# KiCad board willis.kicad_pcb
title: Willis; date: 2024-11-16; rev: V0.3; company: krikun98
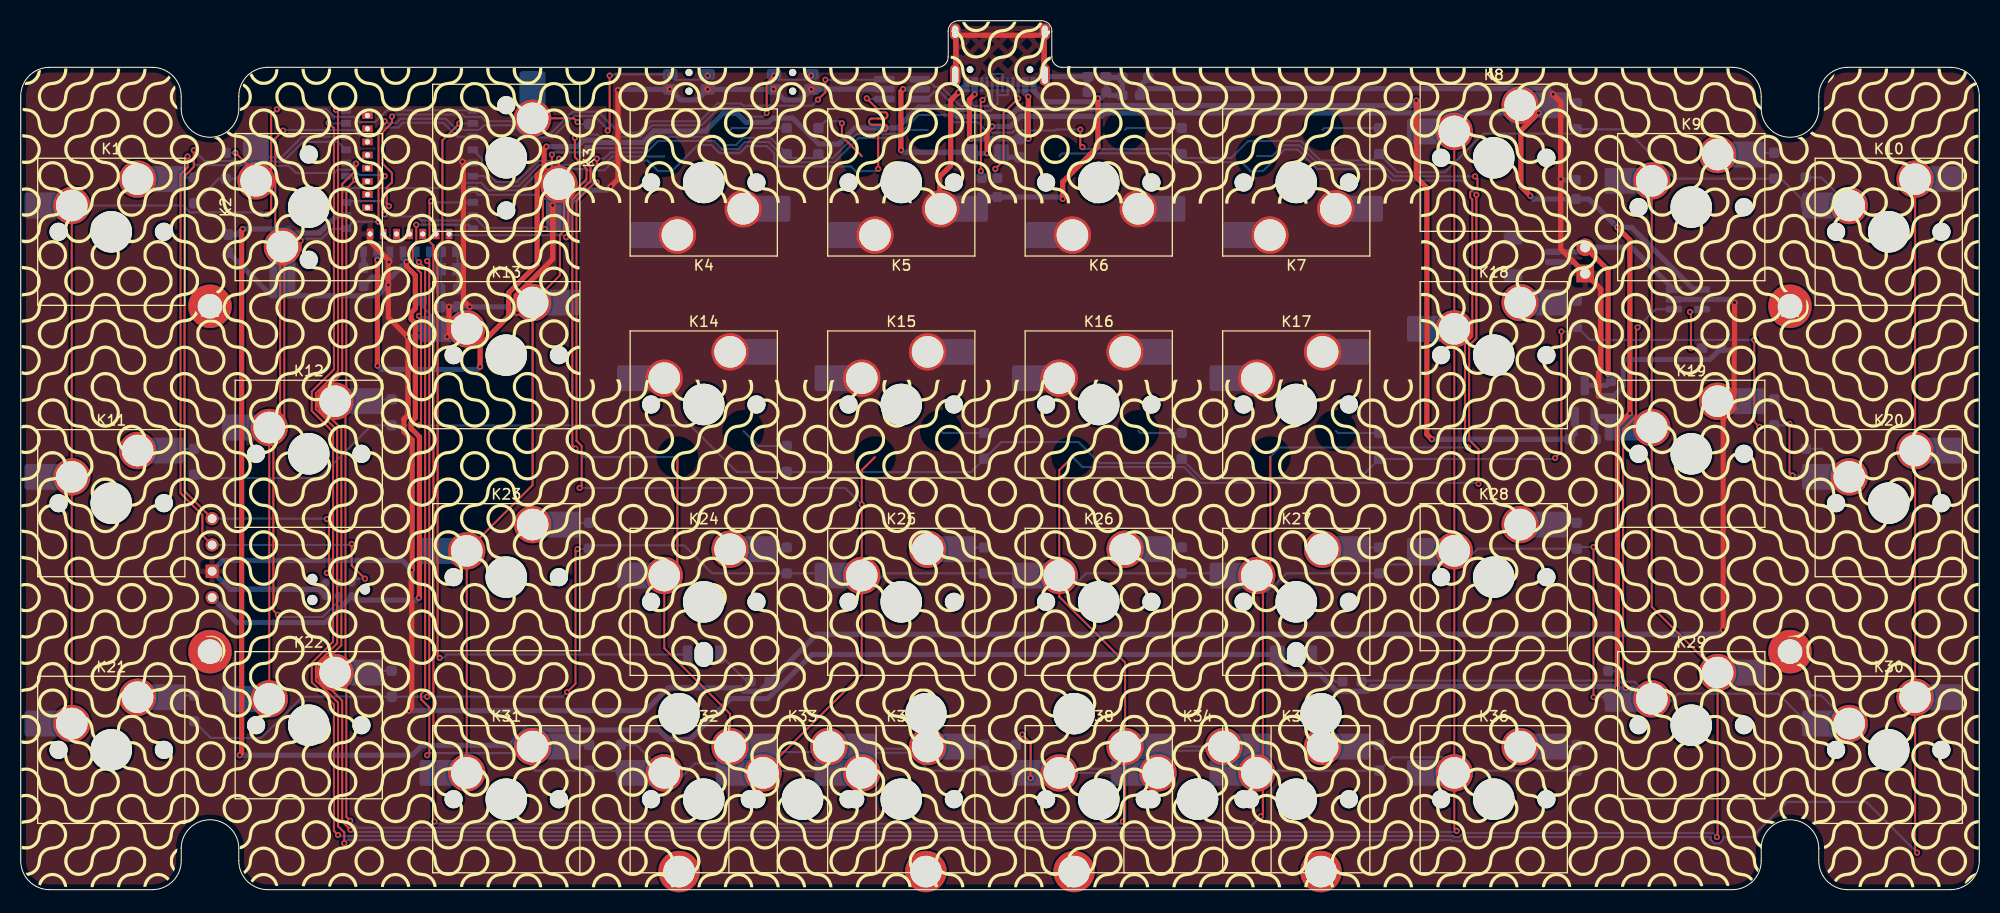
[diagram p0: board, top side]
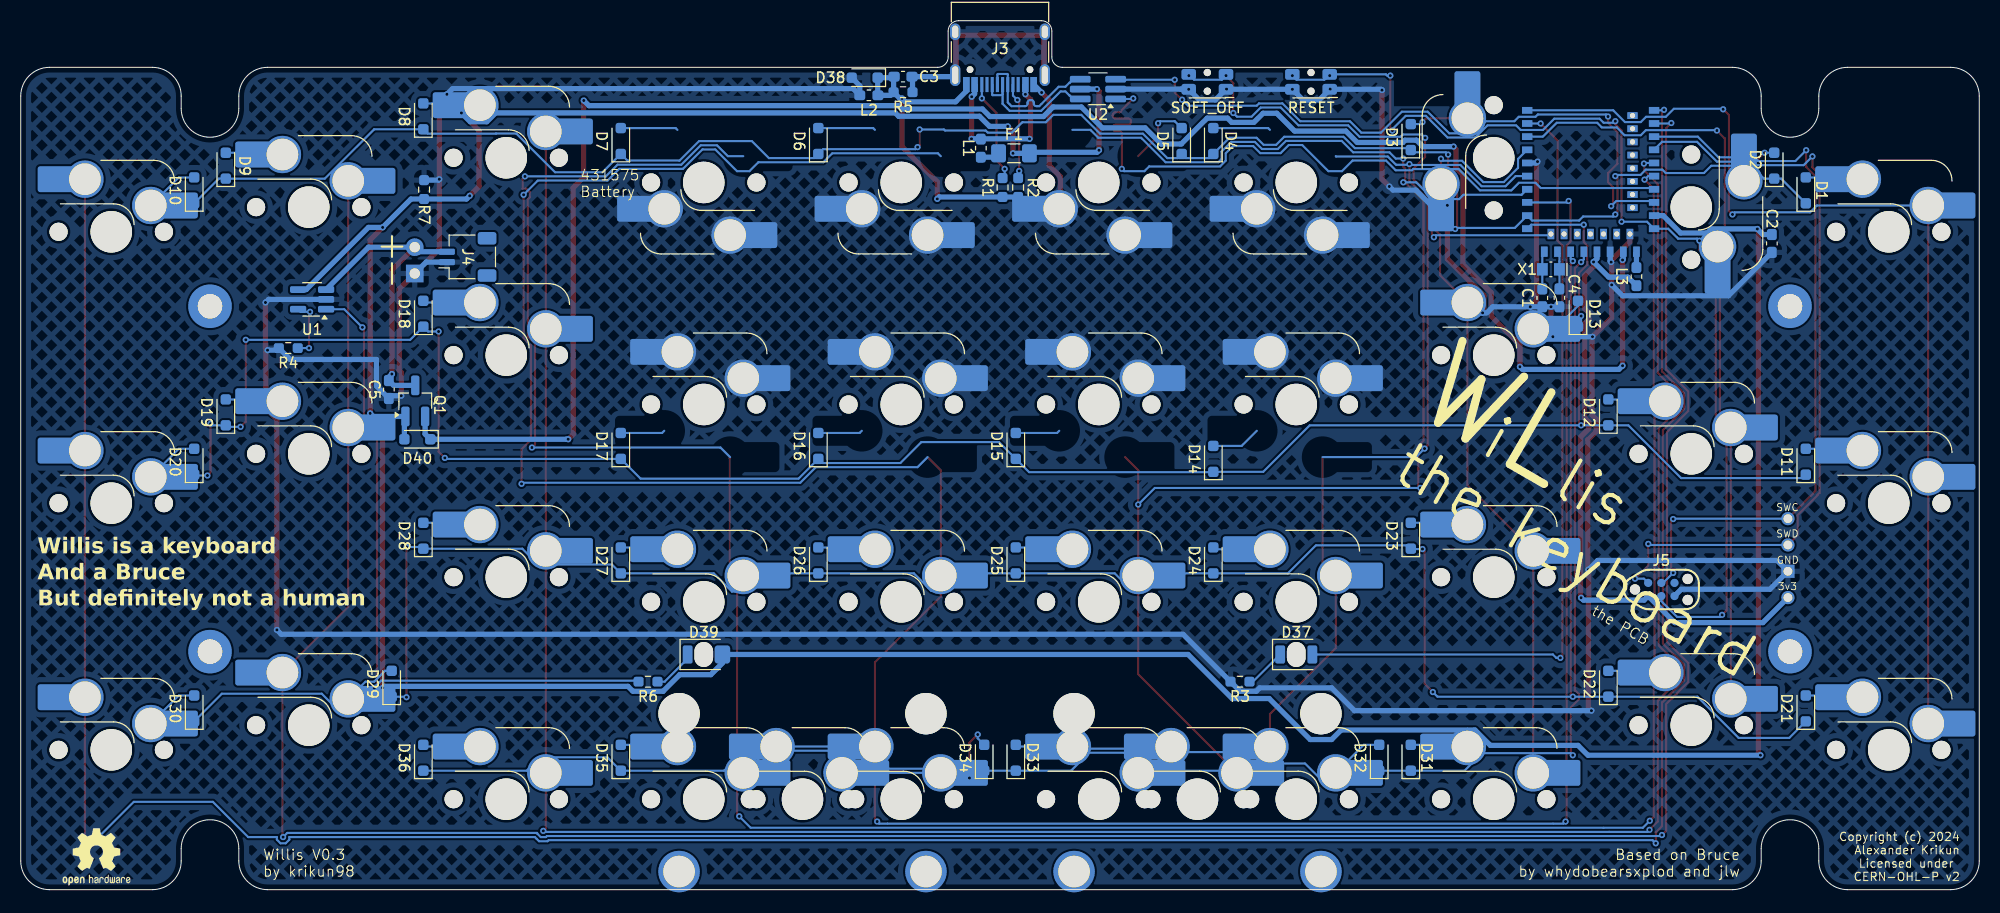
[diagram p1: board, bottom side, seen from below]

Outline 188.91 x 83.88 mm; copper layers: Top, Bottom. Coordinates in mm from the lower left corner of the outline.
Outline path: 0,76.6 arc(0.81,78.56) 2.78,79.38 12.7,79.38 arc(14.66,78.56) 15.48,76.6 15.48,75.41 arc(18.26,72.63) 21.03,75.41 21.03,76.6 arc(21.85,78.56) 23.81,79.38 88.46,79.38 arc(89.16,79.67) 89.46,80.38 89.46,82.88 arc(89.75,83.58) 90.46,83.88 98.46,83.88 arc(99.16,83.58) 99.46,82.88 99.46,80.38 arc(99.75,79.67) 100.46,79.38 165.1,79.38 arc(167.06,78.56) 167.88,76.6 167.88,75.41 arc(170.66,72.63) 173.43,75.41 173.43,76.6 arc(174.25,78.56) 176.21,79.38 186.13,79.38 arc(188.1,78.56) 188.91,76.6 188.91,2.78 arc(188.1,0.81) 186.13,0 176.21,0 arc(174.25,0.81) 173.43,2.78 173.43,3.97 arc(170.66,6.75) 167.88,3.97 167.88,2.78 arc(167.06,0.81) 165.1,0 23.81,0 arc(21.85,0.81) 21.03,2.78 21.03,3.97 arc(18.26,6.75) 15.48,3.97 15.48,2.78 arc(14.66,0.81) 12.7,0 2.78,0 arc(0.81,0.81) 0,2.78 0,76.6
Stack: Top 0.035mm / dielectric 1.51mm FR4 er 4.5 / Bottom 0.035mm

## Placement (name value [footprint] x y rotation side)
C1  12pF  [C_0603_1608Metric_Pad1.08x0.95mm_HandSolder]  42.15 57.13 90 bottom
C2  4.7uF  [C_0603_1608Metric_Pad1.08x0.95mm_HandSolder]  20.01 62.38 270 bottom
C3  100nF  [C_0603_1608Metric_Pad1.08x0.95mm_HandSolder]  103.81 78.48 180 bottom
C4  12pF  [C_0603_1608Metric_Pad1.08x0.95mm_HandSolder]  40.5 57.13 90 bottom
C5  4.7uF  [C_0603_1608Metric_Pad1.08x0.95mm_HandSolder]  153.41 48.28 270 bottom
D1  D_Small  [D_SOD-323_HandSoldering]  16.73 67.5 90 bottom
D2  D_Small  [D_SOD-323_HandSoldering]  19.78 69.88 90 bottom
D3  D_Small  [D_SOD-323_HandSoldering]  54.83 72.64 90 bottom
D4  D_Small  [D_SOD-323_HandSoldering]  73.88 72.26 90 bottom
D5  D_Small  [D_SOD-323_HandSoldering]  76.93 72.26 90 bottom
D6  D_Small  [D_SOD-323_HandSoldering]  111.98 72.26 90 bottom
D7  D_Small  [D_SOD-323_HandSoldering]  131.03 72.26 90 bottom
D8  D_Small  [D_SOD-323_HandSoldering]  150.08 74.64 90 bottom
D9  D_Small  [D_SOD-323_HandSoldering]  169.13 69.88 90 bottom
D10  D_Small  [D_SOD-323_HandSoldering]  172.18 67.5 90 bottom
D11  D_Small  [D_SOD-323_HandSoldering]  16.73 41.31 90 bottom
D12  D_Small  [D_SOD-323_HandSoldering]  35.78 46.07 90 bottom
D13  D_Small  [D_SOD-323_HandSoldering]  38.71 55.59 90 bottom
D14  D_Small  [D_SOD-323_HandSoldering]  73.88 41.58 90 bottom
D15  D_Small  [D_SOD-323_HandSoldering]  92.93 42.83 90 bottom
D16  D_Small  [D_SOD-323_HandSoldering]  111.98 42.83 90 bottom
D17  D_Small  [D_SOD-323_HandSoldering]  131.03 42.83 90 bottom
D18  D_Small  [D_SOD-323_HandSoldering]  150.08 55.59 90 bottom
D19  D_Small  [D_SOD-323_HandSoldering]  169.13 46.07 90 bottom
D20  D_Small  [D_SOD-323_HandSoldering]  172.18 41.31 90 bottom
D21  D_Small  [D_SOD-323_HandSoldering]  16.73 17.49 90 bottom
D22  D_Small  [D_SOD-323_HandSoldering]  35.78 19.88 90 bottom
D23  D_Small  [D_SOD-323_HandSoldering]  54.83 34.16 90 bottom
D24  D_Small  [D_SOD-323_HandSoldering]  73.88 31.78 90 bottom
D25  D_Small  [D_SOD-323_HandSoldering]  92.93 31.78 90 bottom
D26  D_Small  [D_SOD-323_HandSoldering]  111.98 31.78 90 bottom
D27  D_Small  [D_SOD-323_HandSoldering]  131.03 31.78 90 bottom
D28  D_Small  [D_SOD-323_HandSoldering]  150.08 34.16 90 bottom
D29  D_Small  [D_SOD-323_HandSoldering]  153.13 19.88 90 bottom
D30  D_Small  [D_SOD-323_HandSoldering]  172.18 17.49 90 bottom
D31  D_Small  [D_SOD-323_HandSoldering]  54.83 12.73 90 bottom
D32  D_Small  [D_SOD-323_HandSoldering]  57.88 12.73 90 bottom
D33  D_Small  [D_SOD-323_HandSoldering]  92.93 12.73 90 bottom
D34  D_Small  [D_SOD-323_HandSoldering]  95.98 12.73 90 bottom
D35  D_Small  [D_SOD-323_HandSoldering]  131.03 12.73 90 bottom
D36  D_Small  [D_SOD-323_HandSoldering]  150.08 12.73 90 bottom
D37  BLUE  [LED_1206_3216Metric_ReverseMount_Hole1.8x2.4mm]  65.88 22.7 180 bottom
D38  BSD3C051V  [D_SOD-323_HandSoldering]  107.51 78.38 0 bottom
D39  RED  [LED_1206_3216Metric_ReverseMount_Hole1.8x2.4mm#2]  123.03 22.7 180 bottom
D40  1N5819  [D_SOD-323_HandSoldering]  150.66 43.48 0 bottom
F1  500mA  [Fuse_1206_3216Metric_Pad1.42x1.75mm_HandSolder]  93.11 71.08 180 bottom
G***  LOGO  [willis_truchet]  94.46 42.03 0 top
H1  MountingHole  [M2_Hole_TH_mod]  18.26 56.31 0 top
H2  MountingHole  [M2_Hole_TH_mod]  170.66 56.31 0 top
H3  MountingHole  [M2_Hole_TH_mod]  18.26 22.98 0 top
H4  MountingHole  [M2_Hole_TH_mod]  170.66 22.98 0 top
J1  SWD  [connector_swd_REV]  18.56 36.94 0 top
J2  Battery  [Battery_TH]  150.91 59.48 0 bottom
J3  USB-C Conn  [USB_C_Receptacle_HRO_TYPE-C-31-M-12]  94.46 81.76 0 bottom
J4  Battery JST  [JST_SH_SM02B-SRSS-TB_1x02-1MP_P1.00mm_Horizontal]  145.81 61.08 90 bottom
J5  TC2030_SWD  [CON_TC2030_outlined]  30.67 28.98 180 bottom
K1  KEYSW  [SW_Hotswap_Kailh_MX_Plated_1.00u]  8.73 63.5 0 top
K2  KEYSW  [SW_Hotswap_Kailh_MX_Plated_1.00u]  27.78 65.88 90 top
K3  KEYSW  [SW_Hotswap_Kailh_MX_Plated_1.00u]  46.83 70.64 270 top
K4  KEYSW  [SW_Hotswap_Kailh_MX_Plated_1.00u]  65.88 68.26 180 top
K5  KEYSW  [SW_Hotswap_Kailh_MX_Plated_1.00u]  84.93 68.26 180 top
K6  KEYSW  [SW_Hotswap_Kailh_MX_Plated_1.00u]  103.98 68.26 180 top
K7  KEYSW  [SW_Hotswap_Kailh_MX_Plated_1.00u]  123.03 68.26 180 top
K8  KEYSW  [SW_Hotswap_Kailh_MX_Plated_1.00u]  142.08 70.64 0 top
K9  KEYSW  [SW_Hotswap_Kailh_MX_Plated_1.00u]  161.13 65.88 0 top
K10  KEYSW  [SW_Hotswap_Kailh_MX_Plated_1.00u]  180.18 63.5 0 top
K11  KEYSW  [SW_Hotswap_Kailh_MX_Plated_1.00u]  8.73 37.31 0 top
K12  KEYSW  [SW_Hotswap_Kailh_MX_Plated_1.00u]  27.78 42.07 0 top
K13  KEYSW  [SW_Hotswap_Kailh_MX_Plated_1.00u]  46.83 51.59 0 top
K14  KEYSW  [SW_Hotswap_Kailh_MX_Plated_1.00u]  65.88 46.83 0 top
K15  KEYSW  [SW_Hotswap_Kailh_MX_Plated_1.00u]  84.93 46.83 0 top
K16  KEYSW  [SW_Hotswap_Kailh_MX_Plated_1.00u]  103.98 46.83 0 top
K17  KEYSW  [SW_Hotswap_Kailh_MX_Plated_1.00u]  123.03 46.83 0 top
K18  KEYSW  [SW_Hotswap_Kailh_MX_Plated_1.00u]  142.08 51.59 0 top
K19  KEYSW  [SW_Hotswap_Kailh_MX_Plated_1.00u]  161.13 42.07 0 top
K20  KEYSW  [SW_Hotswap_Kailh_MX_Plated_1.00u]  180.18 37.31 0 top
K21  KEYSW  [SW_Hotswap_Kailh_MX_Plated_1.00u]  8.73 13.49 0 top
K22  KEYSW  [SW_Hotswap_Kailh_MX_Plated_1.00u]  27.78 15.88 0 top
K23  KEYSW  [SW_Hotswap_Kailh_MX_Plated_1.00u]  46.83 30.16 0 top
K24  KEYSW  [SW_Hotswap_Kailh_MX_Plated_1.00u]  65.88 27.78 0 top
K25  KEYSW  [SW_Hotswap_Kailh_MX_Plated_1.00u]  84.93 27.78 0 top
K26  KEYSW  [SW_Hotswap_Kailh_MX_Plated_1.00u]  103.98 27.78 0 top
K27  KEYSW  [SW_Hotswap_Kailh_MX_Plated_1.00u]  123.03 27.78 0 top
K28  KEYSW  [SW_Hotswap_Kailh_MX_Plated_1.00u]  142.08 30.16 0 top
K29  KEYSW  [SW_Hotswap_Kailh_MX_Plated_1.00u]  161.13 15.88 0 top
K30  KEYSW  [SW_Hotswap_Kailh_MX_Plated_1.00u]  180.18 13.49 0 top
K31  KEYSW  [SW_Hotswap_Kailh_MX_Plated_1.00u]  46.83 8.73 0 top
K32  KEYSW  [SW_Hotswap_Kailh_MX_Plated_1.00u]  65.88 8.73 0 top
K33  KEYSW  [SW_Hotswap_Kailh_MX_Plated_1.00u]  75.41 8.73 0 top
K34  KEYSW  [SW_Hotswap_Kailh_MX_Plated_1.00u]  113.51 8.73 0 top
K35  KEYSW  [SW_Hotswap_Kailh_MX_Plated_1.00u]  123.03 8.73 0 top
K36  KEYSW  [SW_Hotswap_Kailh_MX_Plated_1.00u]  142.08 8.73 0 top
K37  KEYSW  [SW_Hotswap_Kailh_MX_Plated_1.00u]  84.93 8.73 0 top
K38  KEYSW  [SW_Hotswap_Kailh_MX_Plated_1.00u]  103.98 8.73 0 top
L1  HPZ1608U121  [L_0603_1608Metric_Pad1.05x0.95mm_HandSolder]  96.31 71.58 270 bottom
L2  HPZ1608U121  [L_0603_1608Metric_Pad1.05x0.95mm_HandSolder]  107.11 76.68 0 bottom
L3  10uH  [L_0603_1608Metric_Pad1.05x0.95mm_HandSolder]  33.07 59.18 270 bottom
Q1  AO3407  [SOT-23_Handsoldering]  150.86 47.18 90 bottom
R1  5.1K  [R_0603_1608Metric_Pad0.98x0.95mm_HandSolder]  94.21 67.78 90 bottom
R2  5.1K  [R_0603_1608Metric_Pad0.98x0.95mm_HandSolder]  92.71 67.78 270 bottom
R3  1K  [R_0603_1608Metric_Pad0.98x0.95mm_HandSolder]  71.31 20.08 0 bottom
R4  3K  [R_0603_1608Metric_Pad0.98x0.95mm_HandSolder]  163.11 52.28 0 bottom
R5  1M  [R_0603_1608Metric_Pad0.98x0.95mm_HandSolder]  103.81 76.98 0 bottom
R6  1K  [R_0603_1608Metric_Pad0.98x0.95mm_HandSolder]  128.41 20.08 0 bottom
R7  100K  [R_0603_1608Metric_Pad0.98x0.95mm_HandSolder]  150.01 67.58 90 bottom
REF**  -  [OSHW-Logo2_7.3x6mm_SilkScreen]  181.61 3.18 180 bottom
RSW1  SW_PUSH  [SW_SPST_EVQP7C]  64.46 77.98 0 bottom
RSW2  SW_PUSH  [SW_SPST_EVQP7C]  74.46 77.98 0 bottom
S1  Stabilizer  [STAB_MX_P_2u]  75.41 8.73 180 top
S2  Stabilizer  [STAB_MX_P_2u]  113.51 8.73 180 top
U1  TP4054  [SOT-23-5_HandSoldering]  160.81 56.98 0 bottom
U2  USBLC6-2SC6  [TSOT-23-6_HandSoldering]  85.01 77.28 0 bottom
U3  -  [E73-2G4M08S1C-52840]  37.49 61.2 90 bottom
X1  32.768kHz  [Crystal_SMD_MicroCrystal_CM9V-T1A-2Pin_1.6x1.0mm_HandSoldering]  41.32 59.88 0 bottom

## Library data of the parts
C1 C4 = -: LCSC: C1642; ki_fp_filters: C_*
C2 C5 = -: LCSC: C19666; ki_fp_filters: C_*
C3 = -: LCSC: C1588; ki_fp_filters: C_*
D1-D36 = -: LCSC: C2128; ki_fp_filters: TO-???* *_Diode_* *SingleDiode* D_*
D37 = -: LCSC: C375563; ki_fp_filters: LED* LED_SMD:* LED_THT:*
D38 = -: LCSC: C151996; ki_fp_filters: TO-???* *_Diode_* *SingleDiode* D_*
D39 = -: LCSC: C375561; ki_fp_filters: LED* LED_SMD:* LED_THT:*
D40 = -: LCSC: C21714236; ki_fp_filters: TO-???* *_Diode_* *SingleDiode* D_*
F1 = -: LCSC: C883122; ki_fp_filters: *polyfuse* *PTC*
H1-H4 S1 S2 = -: ki_fp_filters: MountingHole*
J1 J2 = -: ki_fp_filters: Connector*:*_1x??_*
J3 = -: Datasheet: https://www.usb.org/sites/default/files/documents/usb_type-c.zip; JlcPosOffset: 0,1.5; JlcRotOffset: 180; LCSC: C165948; ki_fp_filters: USB*C*Receptacle*
J4 = -: LCSC: C160402; ki_fp_filters: Connector*:*_1x??_*
J5 = -: Description: 6-pin TC2030 connector for SWD programming; ki_fp_filters: IDC?Header*2x03* Pin?Header*2x03*
L1 L2 = -: LCSC: C919153; ki_fp_filters: Choke_* *Coil* Inductor_* L_*
L3 = -: Description: Inductor; LCSC: C275361; ki_fp_filters: Choke_* *Coil* Inductor_* L_*
Q1 = -: LCSC: C5148473
R1 R2 = -: LCSC: C105580; ki_fp_filters: R_*
R3 R6 = -: LCSC: C22548; ki_fp_filters: R_*
R4 = -: LCSC: C4211; ki_fp_filters: R_*
R5 = -: LCSC: C22935; ki_fp_filters: R_*
R7 = -: LCSC: C14675; ki_fp_filters: R_*
RSW1 RSW2 = -: LCSC: C388883
U1 = -: Datasheet: http://ww1.microchip.com/downloads/en/DeviceDoc/20001984g.pdf; LCSC: C424093; ki_fp_filters: SOT?23*
U2 = -: Datasheet: https://www.st.com/resource/en/datasheet/usblc6-2.pdf; LCSC: C558442; ki_fp_filters: SOT?23*
U3 = -: LCSC: C356849
X1 = -: LCSC: C383846; ki_fp_filters: Crystal*

## Footprints (pads in the part's own frame, mm; a bottom-side part is the same pattern mirrored in y, then rotated)
Battery_TH
  rect 1.7x1.7 hole 1: 1(0,0)
  oval 1.7x1.7 hole 1: 2(0,-2.54)
C_0603_1608Metric_Pad1.08x0.95mm_HandSolder
  rrect 1.075x0.95 smd: 1(-0.863,0) 2(0.863,0)
CON_TC2030_outlined
  round 0.991 hole 0.991 unplated: (-2.54,0) (2.54,-1.016) (2.54,1.016)
  round 0.787 smd: 1(-1.27,-0.635) 2(-1.27,0.635) 3(0,-0.635) 4(0,0.635) 5(1.27,-0.635) 6(1.27,0.635)
connector_swd_REV
  oval 1.27x1.27 hole 0.85: 1(-0.1,-8.75) 3(-0.1,-3.67) 4(-0.1,-1.13)
  rect 1.27x1.27 hole 0.85: 2(-0.1,-6.21)
Crystal_SMD_MicroCrystal_CM9V-T1A-2Pin_1.6x1.0mm_HandSoldering
  rect 1.05x1.2 smd: 1(-0.825,0) 2(0.825,0)
D_SOD-323_HandSoldering
  rrect 1x1 smd: 1(-1.25,0) 2(1.25,0)
E73-2G4M08S1C-52840
  rect 0.65x1 smd: 1(14.03,6.119) 2(12.76,6.119) 3(11.49,6.119) 4(10.22,6.119) 5(8.95,6.119) 6(7.68,6.119) 7(6.41,6.119) 8(5.14,6.119) 9(3.87,6.119) 10(2.6,6.119) 26(2.6,-6.119) 27(3.87,-6.119) 29(5.14,-6.119) 31(6.41,-6.119) 33(7.68,-6.119) 35(8.95,-6.119) 37(10.22,-6.119) 39(11.49,-6.119) 41(12.76,-6.119) 43(14.03,-6.119)
  rect 1x0.65 smd: 11(0.381,4.47) 13(0.381,3.2) 15(0.381,1.93) 17(0.381,0.66) 19(0.381,-0.61) 21(0.381,-1.88) 23(0.381,-3.15) 25(0.381,-4.42)
  rect 1x0.65 hole 0.5: 12(2.092,3.833) 14(2.092,2.563) 16(2.092,1.293) 18(2.092,0.023) 20(2.092,-1.247) 22(2.092,-2.517) 24(2.092,-3.787)
  rect 0.65x1 hole 0.5: 28(4.632,-4.041) 30(5.902,-4.041) 32(7.172,-4.041) 34(8.442,-4.041) 36(9.712,-4.041) 38(10.982,-4.041) 40(12.252,-4.041) 42(13.522,-4.041)
Fuse_1206_3216Metric_Pad1.42x1.75mm_HandSolder
  rrect 1.425x1.75 smd: 1(-1.488,0) 2(1.488,0)
JST_SH_SM02B-SRSS-TB_1x02-1MP_P1.00mm_Horizontal
  rrect 0.6x1.55 smd: 1(-0.5,2) 2(0.5,2)
  rrect 1.2x1.8 smd: MP(-1.8,-1.875) MP(1.8,-1.875)
L_0603_1608Metric_Pad1.05x0.95mm_HandSolder
  rrect 1.05x0.95 smd: 1(-0.875,0) 2(0.875,0)
LED_1206_3216Metric_ReverseMount_Hole1.8x2.4mm
  oval 1.8x2.4 hole 1.8x2.4 unplated: (0,0)
  rrect 0.95x1.75 smd: 1(-1.55,0) 2(1.55,0)
LED_1206_3216Metric_ReverseMount_Hole1.8x2.4mm#2
  oval 1.8x2.4 hole 1.8x2.4 unplated: (0,0)
  rrect 0.95x1.75 smd: 1(-1.55,0)
  rrect 1.5x1.75 smd: 2(1.8,0)
M2_Hole_TH_mod
  round 4.2 hole 2.3: (0,0)
R_0603_1608Metric_Pad0.98x0.95mm_HandSolder
  rrect 0.975x0.95 smd: 1(-0.912,0) 2(0.912,0)
SOT-23-5_HandSoldering
  rrect 1.56x0.65 smd: 1(-1.35,0.95) 2(-1.35,0) 3(-1.35,-0.95) 4(1.35,-0.95) 5(1.35,0.95)
SOT-23_Handsoldering
  rrect 1.9x0.8 smd: 1(-1.5,0.95) 2(-1.5,-0.95) 3(1.5,0)
STAB_MX_P_2u
  round 4 hole 3.048: (-11.906,6.985) (11.906,6.985)
  round 3.988 hole 3.988 unplated: (-11.906,-8.255) (11.906,-8.255)
SW_Hotswap_Kailh_MX_Plated_1.00u
  rrect 2.55x2.5 smd: (-7.085,2.54) (5.842,5.08)
  round 1.75 hole 1.75 unplated: (-5.08,0) (5.08,0)
  round 4 hole 4 unplated: (0,0)
  rrect 3.55x2.5 smd far side: 1(-6.585,2.54) 2(5.32,5.08)
  round 3.6 hole 3.05: 1(-3.81,2.54) 2(2.54,5.08)
SW_SPST_EVQP7C
  round 0.7 hole 0.7 unplated: (0,-0.9) (0,0.9)
  rrect 1.4x1.05 smd: 1(-1.8,0.72) 1(1.8,0.72) 2(-1.8,-0.72) 2(1.8,-0.72)
TSOT-23-6_HandSoldering
  rrect 2x0.65 smd: 1(-1.71,0.95) 2(-1.71,0) 3(-1.71,-0.95) 4(1.71,-0.95) 5(1.71,0) 6(1.71,0.95)
USB_C_Receptacle_HRO_TYPE-C-31-M-12
  round 0.65 hole 0.65 unplated: (-2.89,2.6) (2.89,2.6)
  rect 0.6x1.45 smd: A1(-3.25,4.045) A4(-2.45,4.045) A9(2.45,4.045) A12(3.25,4.045) B1(3.25,4.045) B4(2.45,4.045) B9(-2.45,4.045) B12(-3.25,4.045)
  rect 0.3x1.45 smd: A5(-1.25,4.045) A6(-0.25,4.045) A7(0.25,4.045) A8(1.25,4.045) B5(1.75,4.045) B6(0.75,4.045) B7(-0.75,4.045) B8(-1.75,4.045)
  oval 1x1.6 hole 0.6x1.2: S1(-4.32,-1.05) S1(4.32,-1.05)
  oval 1x2.1 hole 0.6x1.7: S1(-4.32,3.13) S1(4.32,3.13)

## Nets
GND: C1.1 C2.2 C4.1 C5.2 D38.2 J1.2 J2.1 J4.1 J5.5 L2.2 R3.2 R4.2 R7.2 RSW1.1 RSW2.1 U1.2 U2.2 U3.5 U3.21 U3.24
GNDPWR: C3.1 D38.1 J3.A1 J3.A12 J3.B1 J3.B12 L2.1 R1.1 R2.2 R5.2
GNDS: C3.2 J3.S1 R5.1
VBAT: C5.1 J2.2 J4.2 Q1.3 U1.3
VBUS: C2.1 D39.2 D40.2 F1.2 Q1.1 R7.1 U1.4 U2.5 U3.27
VDD: J1.1 J5.1 L3.2 U3.19
VDDH: D40.1 Q1.2 U3.23
BLUE_LED: D37.2 U3.2
COL0: K1.1 K11.1 K21.1 U3.1
COL1: K2.1 K12.1 K22.1 U3.3
COL2: K3.2 K13.2 K23.1 K31.1 U3.4
COL3: K4.1 K14.2 K24.1 K32.2 U3.6
COL4: K5.2 K15.2 K25.1 K33.1 K37.1 U3.7
COL5: K6.1 K16.2 K26.1 K34.2 K38.2 U3.8
COL6: K7.1 K17.2 K27.1 K35.1 U3.33
COL7: K8.1 K18.1 K28.1 K36.1 U3.35
COL8: K9.1 K19.1 K29.2 U3.41
COL9: K10.2 K20.2 K30.2 U3.43
DATA+: U2.1 U3.31
DATA-: U2.3 U3.29
DCCH: L3.1 U3.25
RESET: J5.3 RSW1.2 U3.26
ROW0: D1.1 D2.1 D3.1 D4.1 D5.1 D6.1 D7.1 D8.1 D9.1 D10.1 U3.9
ROW1: D11.1 D12.1 D13.1 D14.1 D15.1 D16.1 D17.1 D18.1 D19.1 D20.1 U3.10
ROW2: D21.1 D22.1 D23.1 D24.1 D25.1 D26.1 D27.1 D28.1 D29.1 D30.1 U3.15
ROW3: D31.1 D32.1 D33.1 D34.1 D35.1 D36.1 U3.17
SOFT_OFF: RSW2.2 U3.12
SWC: J1.4 J5.4 U3.39
SWD: J1.3 J5.2 U3.37
USBN: J3.A7 J3.B7 U2.4
USBP: J3.A6 J3.B6 U2.6
XL1: C1.2 U3.11 X1.2
XL2: C4.2 U3.13 X1.1
Net-(D1-A): D1.2 K1.2
Net-(D2-A): D2.2 K2.2
Net-(D3-A): D3.2 K3.1
Net-(D4-A): D4.2 K4.2
Net-(D5-A): D5.2 K5.1
Net-(D6-A): D6.2 K6.2
Net-(D7-A): D7.2 K7.2
Net-(D8-A): D8.2 K8.2
Net-(D9-A): D9.2 K9.2
Net-(D10-A): D10.2 K10.1
Net-(D11-A): D11.2 K11.2
Net-(D12-A): D12.2 K12.2
Net-(D13-A): D13.2 K13.1
Net-(D14-A): D14.2 K14.1
Net-(D15-A): D15.2 K15.1
Net-(D16-A): D16.2 K16.1
Net-(D17-A): D17.2 K17.1
Net-(D18-A): D18.2 K18.2
Net-(D19-A): D19.2 K19.2
Net-(D20-A): D20.2 K20.1
Net-(D21-A): D21.2 K21.2
Net-(D22-A): D22.2 K22.2
Net-(D23-A): D23.2 K23.2
Net-(D24-A): D24.2 K24.2
Net-(D25-A): D25.2 K25.2
Net-(D26-A): D26.2 K26.2
Net-(D27-A): D27.2 K27.2
Net-(D28-A): D28.2 K28.2
Net-(D29-A): D29.2 K29.1
Net-(D30-A): D30.2 K30.1
Net-(D31-A): D31.2 K31.2
Net-(D32-A): D32.2 K32.1
Net-(D33-A): D33.2 K33.2 K37.2
Net-(D34-A): D34.2 K34.1 K38.1
Net-(D35-A): D35.2 K35.2
Net-(D36-A): D36.2 K36.2
Net-(D37-K): D37.1 R3.1
Net-(D39-K): D39.1 R6.1
Net-(F1-Pad1): F1.1 L1.2
Net-(J3-CC1): J3.A5 R2.1
Net-(J3-CC2): J3.B5 R1.2
Net-(J3-VBUS-PadA4): J3.A4 J3.A9 J3.B4 J3.B9 L1.1
Net-(U1-PROG): R4.1 U1.5
Net-(U1-STAT): R6.2 U1.1

Pads without a net: J3 A8 B8; J4 MP; J5 6; U3 14 16 18 20 22 28 30 32 34 36 38 40 42

## Via types
v1: diameter 0.6, hole 0.3, Top to Bottom, 143 vias

## Routing (per net, layer and track width the routed paths; a pad name or vN(x,y) marks a point on that pad's centre or on a via; arc(x,y) is an arc through that point)
GND: length 447.7
  Top w0.5: v1(42.61,70.28) 42.71,70.18 42.71,56.86 v1(43.31,56.26) ; v1(51.31,66.05) 51.31,60.87 47.77,57.34 47.77,55.81 v1(47.91,55.68) ; v1(165.31,56.68) 165.31,52.28 v1(165.11,52.08) 165.27,51.91 165.27,46.49 164.21,45.42 v1(164.21,25.08) ; v1(56.91,67.88) 57.61,68.58 v1(57.61,77.18) ; v1(41.31,56.26) 41.31,53.56 v1(41.13,53.38) ; v1(147.81,76.78) 148.54,76.05 v1(148.54,68.58) 148.54,61.85 J2.1 152.41,57.98 152.41,50.14 152.21,49.94 v1(152.21,47.68) ; v1(37.41,17.28) 37.71,17.58 37.71,27.81 37.66,27.86 37.66,30.83 v1(37.71,30.88) 37.76,30.93 37.76,43.42 36.96,44.22 36.96,45.42 37.36,45.82 37.36,53.33 v1(37.31,53.38) 35.46,55.23 v1(35.46,58.38) 35.46,60.53 v1(35.51,60.58) 35.51,60.74 33.7,62.54 U3.24
  Bottom w0.5: v1(56.91,67.88) 56.56,67.53 54.33,67.53 52.86,66.05 v1(51.31,66.05) ; v1(152.21,47.68) 153.14,47.68 C5.2 154.61,48.61 154.61,51.18 162.92,51.18 R4.2 164.22,52.08 v1(165.11,52.08) ; v1(165.31,56.68) 165.01,56.98 U1.2 ; R7.2 148.62,68.49 v1(148.54,68.58) ; J2.1 149.81,60.58 J4.1 ; v1(72.61,77.28) 72.63,77.26 RSW2.1 ; J5.5 28.74,29 20.19,29 J1.2 19.5,31.78 36.81,31.78 v1(37.71,30.88) ; v1(37.31,53.38) v1(41.13,53.38) ; v1(35.51,60.58) 35.61,60.68 U3.21 ; v1(35.46,58.38) 34.41,57.33 24.19,57.33 C2.2 ; v1(147.81,76.78) 147.26,77.32 108.63,77.32 L2.2 107.98,77.6 D38.2 ; U3.5 42.74,70.15 v1(42.61,70.28) ; v1(57.61,77.18) 57.69,77.26 RSW1.1 62.63,77.26 v1(62.61,77.28) 63.66,76.23 65.23,76.23 v1(66.26,77.26) RSW2.1 ; RSW2.1 73.69,76.23 75.23,76.23 v1(76.26,77.26) 76.99,77.26 77.01,77.28 U2.2 ; v1(37.41,17.28) 60.26,17.28 62.47,19.48 69.4,19.48 69.73,19.15 71.29,19.15 R3.2 76.79,24.65 163.78,24.65 v1(164.21,25.08) ; C4.1 v1(41.31,56.26) C1.1 v1(43.31,56.26) 46.92,56.26 47.51,55.68 v1(47.91,55.68)
GNDPWR: length 49.9
  Top w0.5: v1(103.91,76.38) 103.91,71.71 100.51,68.31 v1(100.51,66.68) ; v1(89.21,66.68) 88.64,67.25 88.64,68.83 89.71,69.9 89.71,76.21 v1(90.44,76.94)
  Bottom w0.5: R5.2 104.72,78.43 C3.1 104.77,78.38 D38.1 106.26,76.7 L2.1 105.02,76.68 R5.2 ; R5.2 104.12,76.38 v1(103.91,76.38) 103.58,76.05 98.73,76.05 97.71,77.08 J3.A12 ; v1(90.44,76.94) J3.A1 ; v1(100.51,66.68) 100.32,66.86 R1.1 R2.2 92.52,66.68 v1(89.21,66.68)
GNDS: length 30.2
  Top w0.5: 98.71,78.7 98.71,82.48 90.21,82.48 90.21,78.7 ; 98.71,78.7 J3.S1 ; 98.71,78.7 98.71,82.81 ; J3.S1 90.21,78.7 ; 90.21,78.7 90.21,82.81
  Bottom w0.5: R5.1 102.89,78.43 C3.2 98.93,78.48 J3.S1
VBAT: length 30.2
  Top w0.5: v1(153.11,49.78) 153.11,59.82 J2.2
  Bottom w0.5: Q1.3 152.94,48.68 C5.1 153.41,49.48 v1(153.11,49.78) ; J4.2 150.47,61.58 J2.2 155.37,62.02 U1.3
VBUS: length 356.6
  Top w0.5: v1(21.11,12.98) 21.31,13.18 21.31,63.68 v1(21.41,63.78) ; v1(146.41,74.98) 144.71,73.28 144.71,67.88 v1(145.61,66.98) ; v1(154.01,19.48) 154.01,44.78 v1(155.21,45.98) 155.21,62.73 v1(154.01,63.93) ; v1(93.71,73.68) 93.21,73.18 v1(93.21,71.08) ; v1(85.11,77.28) 84.91,77.08 v1(84.91,71.38)
  Bottom w0.5: C2.1 20.87,63.24 v1(21.41,63.78) 25.84,63.78 26.23,63.39 28.81,63.39 30.49,65.07 31.37,65.07 ; v1(93.21,71.08) F1.2 91.52,71.18 85.11,71.18 v1(84.91,71.38) ; v1(154.01,19.48) 153.86,19.63 130.34,19.63 129.86,19.15 126.95,19.15 125.35,20.75 122.35,20.75 121.23,21.87 D39.2 76.31,22.7 72.06,18.45 68.49,18.45 64.53,14.49 62.47,14.49 61.55,15.41 48.64,15.41 47.16,13.93 38.7,13.93 37.75,12.98 v1(21.11,12.98) ; v1(85.11,77.28) U2.5 ; D40.2 151.91,45.58 Q1.1 154.91,45.68 v1(155.21,45.98) ; v1(93.71,73.68) 95.46,73.68 96.44,74.65 104.23,74.65 104.56,74.98 143.11,74.98 143.96,74.12 145.55,74.12 v1(146.41,74.98) ; U1.4 161.38,57.93 155.38,63.93 v1(154.01,63.93) 151.27,66.66 R7.1 145.92,66.66 v1(145.61,66.98)
VDD: length 62.1
  Top w0.5: v1(38.41,28.18) 38.46,28.23 38.46,43.71 37.66,44.51 37.66,45.13 38.06,45.53 38.06,54.66 37.66,55.06 37.66,55.69 38.06,56.09 38.06,59.3 37.21,60.15 v1(37.21,60.59)
  Bottom w0.5: U3.19 36.88,60.92 v1(37.21,60.59) 35.74,59.13 33.89,59.13 L3.2 33.05,58.31 ; v1(38.41,28.18) 38.18,27.95 32.33,27.95 J5.1 29.37,25.78 20.87,25.78 J1.1
VDDH: length 183.6
  Top w0.5: v1(34.41,60.78) v1(34.41,50.58) ; v1(134.61,76.18) 134.61,68.78 135.63,67.76 135.63,43.96 v1(136.11,43.48) ; v1(44.31,50.48) 44.31,52.6 47.07,55.36 47.07,57.63 49.81,60.36 49.81,68.97 50.48,69.65 50.48,71.5 v1(50.71,71.73)
  Bottom w0.5: v1(34.41,50.58) 34.76,50.22 44.05,50.22 v1(44.31,50.48) ; U3.23 34.34,60.85 v1(34.41,60.78) ; v1(134.61,76.18) 134.11,75.68 104.27,75.68 103.94,75.35 96.15,75.35 95.42,74.63 90.26,74.63 89.34,75.55 86.6,75.55 84.58,73.53 80.45,73.53 78.9,71.98 76.97,71.98 74.47,74.48 72.52,74.48 72.11,74.06 69.96,74.06 69.08,74.94 67.76,74.94 66.04,73.23 61.1,73.23 60,72.13 55.6,72.13 55.38,72.34 54.28,72.34 53.67,71.73 v1(50.71,71.73) ; Q1.2 149.91,43.98 D40.1 v1(136.11,43.48)
BLUE_LED: length 77.9
  Top w0.2: v1(40.41,22.38) 40.21,22.58 40.21,62.18 40.67,62.64 40.67,72.32 v1(42.31,73.96)
  Bottom w0.2: D37.2 41.13,22.7 40.81,22.38 v1(40.41,22.38) ; v1(42.31,73.96) 43.61,73.96
COL0: length 99.7
  Top w0.2: v1(24.71,75.33) 24.15,74.77 24.15,65.52 v1(23.81,65.18) ; K1.1 K11.1 K21.1
  Bottom w0.2: U3.1 35.31,75.23 34.17,74.09 32.65,74.09 32.14,74.6 30.23,74.6 29.46,75.38 24.76,75.38 v1(24.71,75.33) ; K1.1 15.66,66.04 16.32,65.38 23.61,65.38 v1(23.81,65.18)
COL1: length 75.6
  Top w0.2: K22.1 K12.1 25.02,45.66 25.02,61.85 K2.1 24.55,62.76 24.55,72.52 v1(25.31,73.28)
  Bottom w0.2: U3.3 42.1,72.69 40.76,74.03 36.86,74.03 36.41,73.58 34.96,73.58 34.21,72.82 32.65,72.82 32.16,73.31 25.34,73.31 v1(25.31,73.28)
COL2: length 74.4
  Top w0.2: K31.1 K23.1 49.37,39.05 K13.2 52.01,59.31 52.01,63.22 52.41,63.62 52.41,67.61 K3.2 51.91,70.54 v1(51.92,70.55)
  Bottom w0.2: v1(51.92,70.55) 51.72,70.35 49.88,70.35 47.83,68.3 45.86,68.3 44.49,69.67 44.49,70.53 U3.4
COL3: length 89.7
  Top w0.2: v1(53.51,42.58) 53.21,42.88 53.21,66.65 54.97,68.41 v1(54.97,70.04) ; K32.2 68.42,16.96 62.07,23.31 K24.1 63.34,31.59 63.34,41.75
  Bottom w0.2: U3.6 44.72,68.88 45.69,67.9 48,67.9 50.05,69.95 54.88,69.95 v1(54.97,70.04) 55.04,69.97 56.25,69.97 57.06,70.78 62.04,70.78 62.07,70.8 ; 63.34,41.75 54.33,41.75 v1(53.51,42.58)
COL4: length 154.4
  Top w0.2: K33.1 81.12,20.8 K25.1 v1(81.12,37.18) 81.12,40.48 82.39,41.75 ; v1(53.91,38.78) 54.11,38.98 54.11,42.82 53.61,43.32 53.61,66.48 55.4,68.28 v1(55.55,68.28) 55.37,68.46 55.37,69.59 55.57,69.79 v1(55.57,70.57)
  Bottom w0.2: K37.1 80.92,11.48 71.8,11.48 K33.1 ; 87.47,73.34 85.74,73.34 84.97,72.58 80.84,72.58 78.48,70.21 73.4,70.21 73.08,70.53 73.08,71.25 72.15,72.18 69.87,72.18 69.19,71.49 67.65,71.49 66.87,72.28 61.49,72.28 60.39,71.18 56.89,71.18 56.28,70.57 v1(55.57,70.57) ; v1(55.55,68.28) 54.31,68.28 52.68,66.65 50.18,66.65 49.76,67.08 44.14,67.08 43.61,67.61 ; v1(53.91,38.78) 79.52,38.78 v1(81.12,37.18)
COL5: length 291.3
  Top w0.2: v1(106.31,6.58) 106.52,6.79 K38.2 106.52,21.93 100.17,28.28 K26.1 100.17,40.48 101.44,41.75 ; v1(140.61,39.18) 140.61,42.52 139.71,43.42 139.71,52.53 140.41,53.23 v1(140.41,67.08) ; v1(39.61,66.48) 39.42,66.29 39.42,62.56 39.81,62.18 39.81,6.68 v1(39.91,6.58)
  Bottom w0.2: v1(140.61,39.18) 140.51,39.28 113.72,39.28 112.22,40.78 102.41,40.78 101.44,41.75 ; v1(140.41,67.08) 139.03,68.45 132.31,68.45 131.18,69.58 125.03,69.58 123.16,71.45 121.92,71.45 119.82,69.35 118.62,69.35 117.76,70.21 111.5,70.21 110.63,71.08 100.44,71.08 100.17,70.8 ; U3.8 39.75,66.34 v1(39.61,66.48) ; K38.2 K34.2 ; v1(39.91,6.58) 40.11,6.38 106.11,6.38 v1(106.31,6.58)
COL6: length 258.3
  Top w0.2: v1(32.29,68.53) 31.41,67.65 31.41,48.18 31.77,47.81 31.77,46.55 31.33,46.1 31.33,22.06 31.81,21.58 31.81,20.28 31.41,19.88 31.41,7.02 v1(31.78,6.65) ; v1(139.61,42.68) 139.31,42.98 139.31,52.7 140.01,53.4 140.01,66.63 139.81,66.83 139.81,67.32 140.16,67.68 140.51,67.68 140.51,68.62 v1(140.28,68.85) ; 120.49,41.75 120.53,41.71 120.53,31.63 K27.1 119.81,29.73 119.81,11.88 119.22,11.29 K35.1 119.81,10.68 119.81,7.28 v1(119.61,7.08)
  Bottom w0.2: v1(31.78,6.65) 32.45,5.98 118.51,5.98 v1(119.61,7.08) ; v1(32.29,68.53) 31.95,68.88 U3.33 ; 119.22,70.8 120.71,70.8 121.76,71.85 123.32,71.85 125.2,69.98 131.35,69.98 132.48,68.85 v1(140.28,68.85) ; v1(139.61,42.68) 121.41,42.68 120.49,41.75
COL7: length 244.1
  Top w0.2: v1(32.34,70.09) 32.31,70.05 32.31,69.4 31.01,68.1 31.01,49.88 29.73,48.6 29.72,48.6 28.87,47.75 28.87,46.55 30.93,44.49 30.93,23.59 29.74,22.41 29.72,22.41 28.87,21.56 28.87,20.35 29.72,19.51 29.74,19.51 31.01,18.24 31.01,6.58 v1(31.81,5.78) ; v1(138.51,5.68) 138.27,5.91 K36.1 K28.1 K18.1 K8.1
  Bottom w0.2: v1(138.51,5.68) 138.41,5.58 35.71,5.58 ; 35.71,5.58 32.01,5.58 v1(31.81,5.78) ; 35.71,5.58 35.68,5.58 ; v1(32.34,70.09) 32.28,70.15 U3.35
COL8: length 273.7
  Top w0.2: v1(29.71,74) 30.21,73.5 30.21,50.21 29.4,49.4 29.39,49.4 28.07,48.08 28.07,46.22 30.13,44.16 30.13,23.94 28.07,21.89 28.07,20.02 30.21,17.89 30.21,5.68 v1(30.61,5.28) ; K9.1 K19.1 157.32,27.31 K29.2 163.67,5.14 v1(163.61,5.08)
  Bottom w0.2: v1(163.61,5.08) 163.21,5.48 139.11,5.48 139.11,5.43 138.75,5.08 138.26,5.08 138.16,5.18 30.71,5.18 v1(30.61,5.28) ; v1(29.71,74) 29.75,73.96 31.37,73.96
COL9: length 296.9
  Top w0.2: v1(30.41,75.28) 30.61,75.08 30.61,50.04 29.56,49 29.55,49 28.47,47.92 28.47,46.38 30.53,44.33 30.53,23.78 28.47,21.72 28.47,20.19 30.61,18.05 30.61,6.12 31.21,5.52 v1(31.21,4.48) ; K10.2 K20.2 K30.2 182.72,3.76 v1(182.91,3.58)
  Bottom w0.2: U3.43 30.46,75.23 v1(30.41,75.28) ; v1(31.21,4.48) 31.51,4.78 137.99,4.78 138.09,4.68 138.92,4.68 139.32,5.08 163.01,5.08 163.01,4.83 163.36,4.48 163.85,4.48 164.21,4.83 164.21,5.08 166.97,5.08 170.37,8.48 178.01,8.48 v1(182.91,3.58)
DATA+: length 70.2
  Top w0.2: v1(81.61,76.38) 82.71,75.28 arc(82.78,75.11) 82.95,75.04 83.35,75.04 arc(83.52,74.96) 83.59,74.8 83.59,74.68 arc(83.52,74.51) 83.35,74.44 82.07,74.44 arc(81.9,74.36) 81.83,74.2 81.83,74.08 arc(81.9,73.91) 82.07,73.84 83.35,73.84 arc(83.52,73.76) 83.59,73.6 83.59,73.48 arc(83.52,73.31) 83.35,73.24 82.95,73.24 arc(82.78,73.16) 82.71,73 v1(82.71,69.58)
  Bottom w0.2: v1(81.61,76.38) 81.66,76.33 U2.1 ; 31.37,67.61 31.48,67.72 42.3,67.72 42.81,68.23 44.41,68.23 45.14,67.5 48.16,67.5 50.22,69.55 54.6,69.55 54.72,69.44 56.28,69.44 57.22,70.38 60.45,70.38 61.47,69.35 62.78,69.35 65.31,71.88 66.61,71.88 67.39,71.09 69.35,71.09 70.04,71.78 71.99,71.78 72.68,71.08 72.68,70.36 73.23,69.81 80.06,69.81 80.52,69.35 82.48,69.35 v1(82.71,69.58)
DATA-: length 67.1
  Top w0.2: v1(35.81,74.63) 35.81,74.03 34.91,73.13 34.91,70.08 35.81,69.18 35.81,68.28 35.31,67.78 35.31,66.18 v1(35.51,65.98) ; v1(77.61,78.18) 77.61,76.97 v1(76.89,76.25)
  Bottom w0.2: v1(35.51,65.98) 35.01,66.47 31.5,66.47 U3.29 ; U2.3 83.25,78.18 v1(77.61,78.18) ; v1(35.81,74.63) 36.01,74.83 42.58,74.83 42.81,74.6 44.42,74.6 44.84,74.18 47.6,74.18 48.77,73 51.12,73 53.21,75.09 55.69,75.09 57.71,73.08 59.61,73.08 60.71,74.18 65.5,74.18 67.21,75.89 69.48,75.89 69.69,75.68 76.31,75.68 v1(76.89,76.25)
DCCH: length 1.5
  Bottom w0.5: L3.1 U3.25
RESET: length 102.4
  Top w0.2: v1(56.61,73.28) 56.81,73.48 v1(56.81,78.58) ; v1(26.99,62.64) 26.99,61.76 25.42,60.19 25.42,44.01 24.39,42.98 24.37,42.98 24.37,26.96 v1(24.81,26.53) ; v1(34.51,64.48) 34.51,73.29 35.1,73.89 v1(35.1,74.18)
  Bottom w0.2: v1(56.61,73.28) 56.61,73.4 55.32,74.69 53.37,74.69 51.28,72.6 48.6,72.6 47.43,73.78 44.67,73.78 44.23,73.33 42.08,73.33 40.99,74.43 36.63,74.43 36.23,74.03 35.25,74.03 v1(35.1,74.18) ; v1(56.81,78.58) 57.11,78.58 57.23,78.7 RSW1.2 ; RSW1.2 63.18,78.18 65.86,78.18 v1(66.26,78.58) ; RSW1.2 v1(62.66,78.58) ; J5.3 30.67,27.85 29.14,26.33 25.01,26.33 v1(24.81,26.53) ; v1(26.99,62.64) 27.19,62.84 29.04,62.84 30,63.8 U3.26 32.05,64.48 v1(34.51,64.48)
ROW0: length 183.6
  Top w0.2: v1(50.56,63.77) 50.36,63.97 50.36,68.72 51.23,69.6 v1(51.23,70.95) ; v1(35.11,68.88) 34.91,68.68 34.91,65.38 v1(35.11,65.18) ; v1(102.21,73.38) 102.21,71.88 v1(102.41,71.68)
  Bottom w0.2: v1(102.21,73.38) 99.85,73.38 99.75,73.28 95.84,73.28 95.64,73.08 93.31,73.08 92.31,74.08 90.03,74.08 89.31,74.79 86.62,74.79 84.81,72.98 80.68,72.98 78.31,70.61 77.33,70.61 D5.1 76.53,70.61 74.28,70.61 D4.1 72.32,72.58 69.7,72.58 69.02,71.89 67.82,71.89 67.04,72.68 61.33,72.68 60.23,71.58 55.01,71.58 D3.1 54.61,71.18 51.45,71.18 v1(51.23,70.95) ; v1(50.56,63.77) 50.45,63.88 44.8,63.88 43.61,65.07 43.13,64.59 38.6,64.59 38.21,64.98 35.3,64.98 v1(35.11,65.18) ; v1(102.41,71.68) 102.61,71.48 111.52,71.48 D6.1 112.38,70.61 116.74,70.61 118.38,72.25 123.49,72.25 125.36,70.38 130.39,70.38 D7.1 132.8,69.25 137.37,69.25 141.11,72.99 143.05,72.99 143.06,72.98 149.66,72.98 D8.1 154.82,73.39 159.58,68.63 D9.1 169.8,68.63 D10.1 ; v1(35.11,68.88) 34.99,68.99 32.68,68.99 32.17,69.5 30.57,69.5 30.24,69.18 26.55,69.18 25.85,69.87 22,69.87 20.76,68.63 D2.1 19.11,68.63 D1.1
ROW1: length 215.9
  Top w0.2: v1(167.71,44.68) 167.21,45.18 v1(167.21,53.08) ; v1(148.01,41.68) 148.61,42.28 v1(148.61,53.88) ; v1(170.91,39.98) 170.61,40.28 v1(170.61,44.98) ; v1(38.15,64.19) 38.15,62.5 37.81,62.16 37.81,60.33 38.61,59.53 38.61,55.58 v1(38.41,55.38) 38.61,55.18 38.61,45.02 v1(38.41,44.82)
  Bottom w0.2: v1(167.21,53.08) 151.35,53.08 D18.1 149.61,53.88 v1(148.61,53.88) ; v1(167.71,44.68) 168.99,44.68 D19.1 170.45,44.82 v1(170.61,44.98) ; D11.1 17.06,39.72 28.75,39.72 33.85,44.82 D12.1 v1(38.41,44.82) 64.58,44.82 69.07,40.33 D14.1 73.91,40.3 91.65,40.3 D15.1 94.55,43.2 102.04,43.2 104.06,41.18 111.58,41.18 D16.1 113.89,39.68 129.12,39.68 D17.1 147.91,41.58 v1(148.01,41.68) ; U3.10 43.22,64.19 v1(38.15,64.19) ; v1(170.91,39.98) 172.1,39.98 D20.1 ; v1(38.41,55.38) 38.41,54.64 D13.1
ROW2: length 238.1
  Top w0.2: v1(39.21,60.68) 39.41,60.48 39.41,18.83 v1(39.21,18.63) ; v1(52.71,19.08) 53.51,19.88 53.51,32.68 v1(53.71,32.88) ; v1(151.71,18.58) v1(151.71,33.08)
  Bottom w0.2: U3.15 39.42,60.89 v1(39.21,60.68) ; v1(151.71,33.08) 150.24,33.08 D28.1 140.54,32.91 138.87,31.25 137.65,31.25 137.51,31.39 131.89,31.39 D27.1 122.06,30.53 120.31,28.78 118.71,28.78 116.95,30.53 D26.1 102.76,30.53 101.1,28.87 99.51,28.87 97.85,30.53 D25.1 83.39,30.53 81.72,28.87 80.51,28.87 78.85,30.53 D24.1 66.69,30.53 63.98,33.24 55.15,33.24 D23.1 54.79,32.88 v1(53.71,32.88) ; v1(52.71,19.08) 52.26,18.63 D22.1 27.18,18.63 23.21,14.65 18.32,14.65 D21.1 ; v1(151.71,18.58) 151.76,18.63 D29.1 154.96,18.63 156.62,16.96 157.92,16.96 159.88,18.91 169.51,18.91 D30.1
ROW3: length 168.6
  Top w0.2: v1(38.41,60.58) 39.01,59.98 39.01,19.23 38.96,19.23 38.61,18.87 38.61,18.38 39.41,17.58 39.41,13.18 v1(39.21,12.98)
  Bottom w0.2: v1(39.21,12.98) 39.41,13.18 47.96,13.18 49.65,11.48 D31.1 D32.1 59.78,11.48 61.44,9.82 62.67,9.82 65.03,12.18 68.91,12.18 70.01,13.28 76.43,13.28 77.35,12.36 78.55,12.36 79.4,13.21 85.87,13.21 87.6,11.48 D33.1 D34.1 96.17,11.67 98.4,11.67 99.45,12.72 100.77,12.72 101.82,11.68 106.81,11.68 108.54,13.41 114.4,13.41 115.45,12.36 117.59,12.36 117.95,12.72 119.82,12.72 121.06,11.48 D35.1 132.32,12.78 138.82,12.78 140.11,11.48 D36.1 ; v1(38.41,60.58) 38.15,60.84 U3.17
SOFT_OFF: length 50.7
  Top w0.2: v1(72.66,78.58) 71.95,77.87 v1(71.95,74.97) ; v1(52.61,62.98) 52.81,63.18 52.81,66.81 54.57,68.58 54.57,69.59 53.45,70.71 v1(53.45,72.57)
  Bottom w0.2: v1(52.61,62.98) 52.41,63.17 41.44,63.17 U3.12 ; v1(53.45,72.57) 53.77,72.89 55.61,72.89 55.82,72.68 59.77,72.68 60.87,73.78 65.66,73.78 67.38,75.49 69.31,75.49 70.19,74.61 71.6,74.61 v1(71.95,74.97) ; v1(76.24,78.58) 76.26,78.59 RSW2.2 75.74,78.18 73.06,78.18 v1(72.66,78.58)
SWC: length 71.1
  Top w0.2: v1(29.53,35.78) 29.73,35.58 29.73,30.78 v1(29.53,30.58) ; v1(16.69,71.38) 16.69,69.76 15.81,68.88 15.81,38.46 J1.4
  Bottom w0.2: v1(29.53,30.58) 30.49,29.61 J5.4 ; J1.4 29.49,35.81 v1(29.53,35.78) ; v1(16.69,71.38) 17.74,70.33 21.33,70.33 21.69,70.69 25.16,70.69 27.15,72.69 U3.39
SWD: length 74.8
  Top w0.2: v1(33.21,30.02) 31.93,31.3 v1(31.93,33.38) ; v1(16.09,70.78) 16.09,69.73 15.41,69.04 15.41,38.3 15.61,38.1 15.61,38.08 17.52,36.16 17.52,34.21 J1.3
  Bottom w0.2: v1(31.93,33.38) 31.82,33.27 J1.3 ; v1(16.09,70.78) 16.94,69.93 21.5,69.93 21.84,70.27 25.3,70.27 27.22,72.19 30.6,72.19 U3.37 ; v1(33.21,30.02) 32.35,30.02 J5.2
USBN: length 13.7
  Bottom w0.2: J3.A7 94.71,78.69 94.66,78.74 93.76,78.74 93.71,78.69 J3.B7 93.71,75.99 93.34,75.63 92.04,75.63 arc(91.87,75.7) 91.8,75.87 91.8,75.97 arc(91.73,76.14) 91.56,76.21 91.44,76.21 arc(91.27,76.14) 91.2,75.97 91.2,75.87 arc(91.13,75.7) 90.96,75.63 90.67,75.63 88.8,77.5 88.15,77.5 87.75,77.9 87.72,77.9 87.39,78.23 U2.4
USBP: length 13.7
  Bottom w0.2: U2.6 87.39,76.33 87.72,76.65 87.75,76.65 88.15,77.05 88.61,77.05 90.49,75.18 93.52,75.18 94.21,75.86 J3.A6 94.21,76.74 94.26,76.69 95.16,76.69 95.21,76.74 J3.B6
XL1: length 3.7
  Bottom w0.2: C1.2 X1.2 42.15,61.39 U3.11
XL2: length 3.7
  Bottom w0.2: U3.13 40.5,61.39 X1.1 C4.2
Net-(D1-A): length 5.5
  Bottom w0.2: D1.2 11.44,68.75 K1.2
Net-(D2-A): length 4.5
  Top w0.2: v1(20.71,71.13) 22.7,69.14 K2.2
  Bottom w0.2: v1(20.71,71.13) D2.2
Net-(D3-A): length 5.7
  Top w0.2: v1(53.71,74.09) 53.35,74.45 K3.1
  Bottom w0.2: v1(53.71,74.09) 53.91,73.89 D3.2
Net-(D4-A): length 5.5
  Bottom w0.2: 68.42,73.34 68.59,73.51 D4.2
Net-(D5-A): length 6.6
  Top w0.2: 81.12,70.8 79.21,72.72 v1(79.21,73.98)
  Bottom w0.2: D5.2 76.94,73.51 77.61,74.18 79.01,74.18 v1(79.21,73.98)
Net-(D6-A): length 5.5
  Bottom w0.2: 106.52,73.34 106.69,73.51 D6.2
Net-(D7-A): length 5.5
  Bottom w0.2: D7.2 125.74,73.51 125.57,73.34
Net-(D8-A): length 5.5
  Bottom w0.2: D8.2 144.79,75.89 K8.2
Net-(D9-A): length 5.5
  Bottom w0.2: K9.2 163.84,71.13 D9.2
Net-(D10-A): length 5.3
  Bottom w0.2: K10.1 173.66,68.75 D10.2
Net-(D11-A): length 5.5
  Bottom w0.2: K11.2 11.44,42.56 D11.2
Net-(D12-A): length 5.5
  Bottom w0.2: D12.2 30.49,47.32 K12.2
Net-(D13-A): length 5.7
  Bottom w0.2: K13.1 40.92,54.13 38.71,56.34 D13.2
Net-(D14-A): length 4.8
  Bottom w0.2: D14.2 71.15,42.83 69.69,44.29
Net-(D15-A): length 4.3
  Bottom w0.2: 88.74,44.29 88.95,44.08 D15.2
Net-(D16-A): length 4.3
  Bottom w0.2: D16.2 108,44.08 107.79,44.29
Net-(D17-A): length 4.3
  Bottom w0.2: D17.2 127.05,44.08 126.84,44.29
Net-(D18-A): length 5.5
  Bottom w0.2: D18.2 149.91,56.67 K18.2
Net-(D19-A): length 5.5
  Bottom w0.2: D19.2 163.84,47.32 K19.2
Net-(D20-A): length 5.3
  Bottom w0.2: K20.1 173.66,42.56 D20.2
Net-(D21-A): length 5.5
  Bottom w0.2: K21.2 11.44,18.74 D21.2
Net-(D22-A): length 5.5
  Bottom w0.2: D22.2 30.49,21.13 K22.2
Net-(D23-A): length 5.5
  Bottom w0.2: K23.2 49.54,35.41 D23.2
Net-(D24-A): length 5.5
  Bottom w0.2: D24.2 73.71,32.86 K24.2
Net-(D25-A): length 5.5
  Bottom w0.2: D25.2 87.64,33.03 K25.2
Net-(D26-A): length 5.5
  Bottom w0.2: D26.2 106.69,33.03 K26.2
Net-(D27-A): length 5.5
  Bottom w0.2: K27.2 125.74,33.03 D27.2
Net-(D28-A): length 5.5
  Bottom w0.2: D28.2 144.79,35.41 K28.2
Net-(D29-A): length 5.3
  Bottom w0.2: D29.2 153.77,21.13 154.82,20.08 155.66,20.08 K29.1
Net-(D30-A): length 5.3
  Bottom w0.2: K30.1 173.66,18.74 D30.2
Net-(D31-A): length 5.5
  Bottom w0.2: K31.2 49.54,13.98 D31.2
Net-(D32-A): length 5.3
  Bottom w0.2: D32.2 59.36,13.98 K32.1
Net-(D33-A): length 15.2
  Bottom w0.2: K33.2 78.15,13.61 87.27,13.61 K37.2 92.76,13.81 D33.2
Net-(D34-A): length 18.3
  Top w0.2: v1(97.41,10.78) 97.41,14.18 v1(96.61,14.98)
  Bottom w0.2: K34.1 109.69,11.28 100.17,11.28 K38.1 97.9,11.27 v1(97.41,10.78) ; v1(96.61,14.98) 96.61,14.61 D34.2
Net-(D35-A): length 5.5
  Bottom w0.2: K35.2 125.74,13.98 D35.2
Net-(D36-A): length 5.5
  Bottom w0.2: K36.2 149.91,13.81 D36.2
Net-(D37-K): length 4.1
  Bottom w0.2: D37.1 70.06,20.08 R3.1
Net-(D39-K): length 4.2
  Bottom w0.2: R6.1 126.81,20.08 124.58,22.3 D39.1
Net-(F1-Pad1): length 1.9
  Bottom w0.5: L1.2 94.97,70.7 F1.1
Net-(J3-CC1): length 9.3
  Top w0.2: v1(92.61,69.38) 92.61,76.05 v1(92.78,76.23)
  Bottom w0.2: v1(92.78,76.23) 93.21,76.65 J3.A5 ; R2.1 92.71,69.28 v1(92.61,69.38)
Net-(J3-CC2): length 10
  Top w0.2: v1(94.01,69.58) 94.81,70.38 94.81,74.98 v1(96.21,76.38)
  Bottom w0.2: R1.2 94.01,68.89 v1(94.01,69.58) ; J3.B5 v1(96.21,76.38)
Net-(J3-VBUS-PadA4): length 16.5
  Top w0.5: v1(97.19,76.54) 97.19,72.49 v1(97.21,72.48) ; v1(92.01,76.78) 91.51,76.28 91.51,72.58 v1(91.61,72.48)
  Bottom w0.5: v1(91.61,72.48) 96.28,72.48 L1.1 96.33,72.48 v1(97.21,72.48) ; J3.A9 96.91,76.82 v1(97.19,76.54) ; v1(92.01,76.78) J3.A4
Net-(U1-PROG): length 5.9
  Top w0.2: v1(161.11,52.28) 161.11,55.68 v1(161.01,55.78)
  Bottom w0.2: 162.19,55.99 U1.5 161.91,55.78 v1(161.01,55.78) ; R4.1 v1(161.11,52.28)
Net-(U1-STAT): length 65.6
  Top w0.2: v1(154.81,19.48) 154.56,19.73 154.56,44.43 155.81,45.68 155.81,54.13 v1(155.96,54.28)
  Bottom w0.2: R6.2 129.42,20.18 154.15,20.18 154.61,19.72 154.61,19.68 v1(154.81,19.48) ; v1(155.96,54.28) 157.71,56.03 U1.1

## Copper pours and planes (outline as drawn; the poured copper is in the pictures)
GND on Top: 0.01,79.38 188.91,79.38 189.01,-0.02 0.01,-0.02
GND on Bottom: 0.01,79.38 188.91,79.38 189.01,-0.02 0.01,-0.02
GNDS on Top, Bottom: 89.11,85.9 89.11,77.48 99.71,77.48 99.81,85.9

## Text on the board
B.Silkscreen: Copyright (c) 2024 / Alexander Krikun / Licensed under / CERN-OHL-P v2 | 431575 / Battery | Willis V0.3 / by krikun98 | Based on Bruce / by whydobearsxplod and jlw | the PCB | RESET | SOFT_OFF | i  lis / the keyboard | WL | Willis is a keyboard / And a Bruce / But definitely not a human
